# Altium PCB Flight_Computer_Unit.PcbDoc (part 1 of 3)
Units mm, origin at the board's own origin, x right, y up, seen from the top; angles counter-clockwise.
Board outline 31 x 31 mm, 6 copper layers (Top Layer, GND 2, L3, L4, GND 5, Bottom Layer), stack 1.578 mm thick; 101 components, 159 nets, 565 pads, 257 vias.
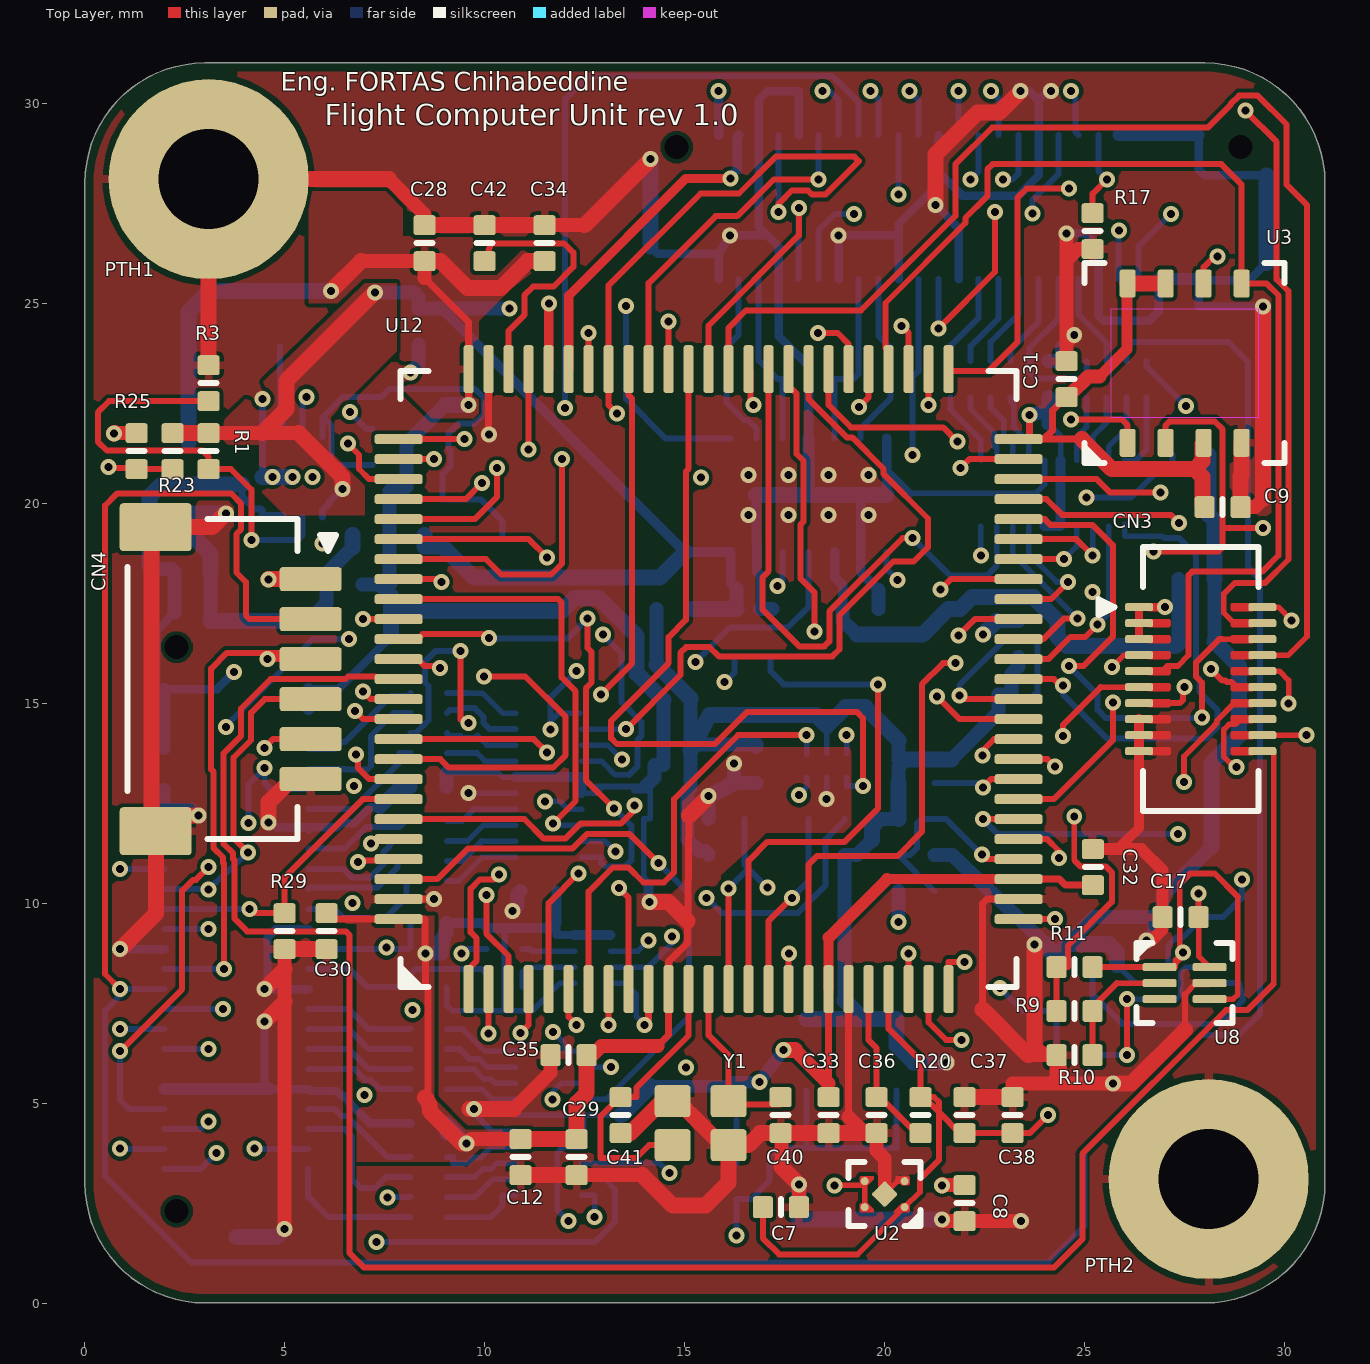
[diagram p0: Top Layer view]
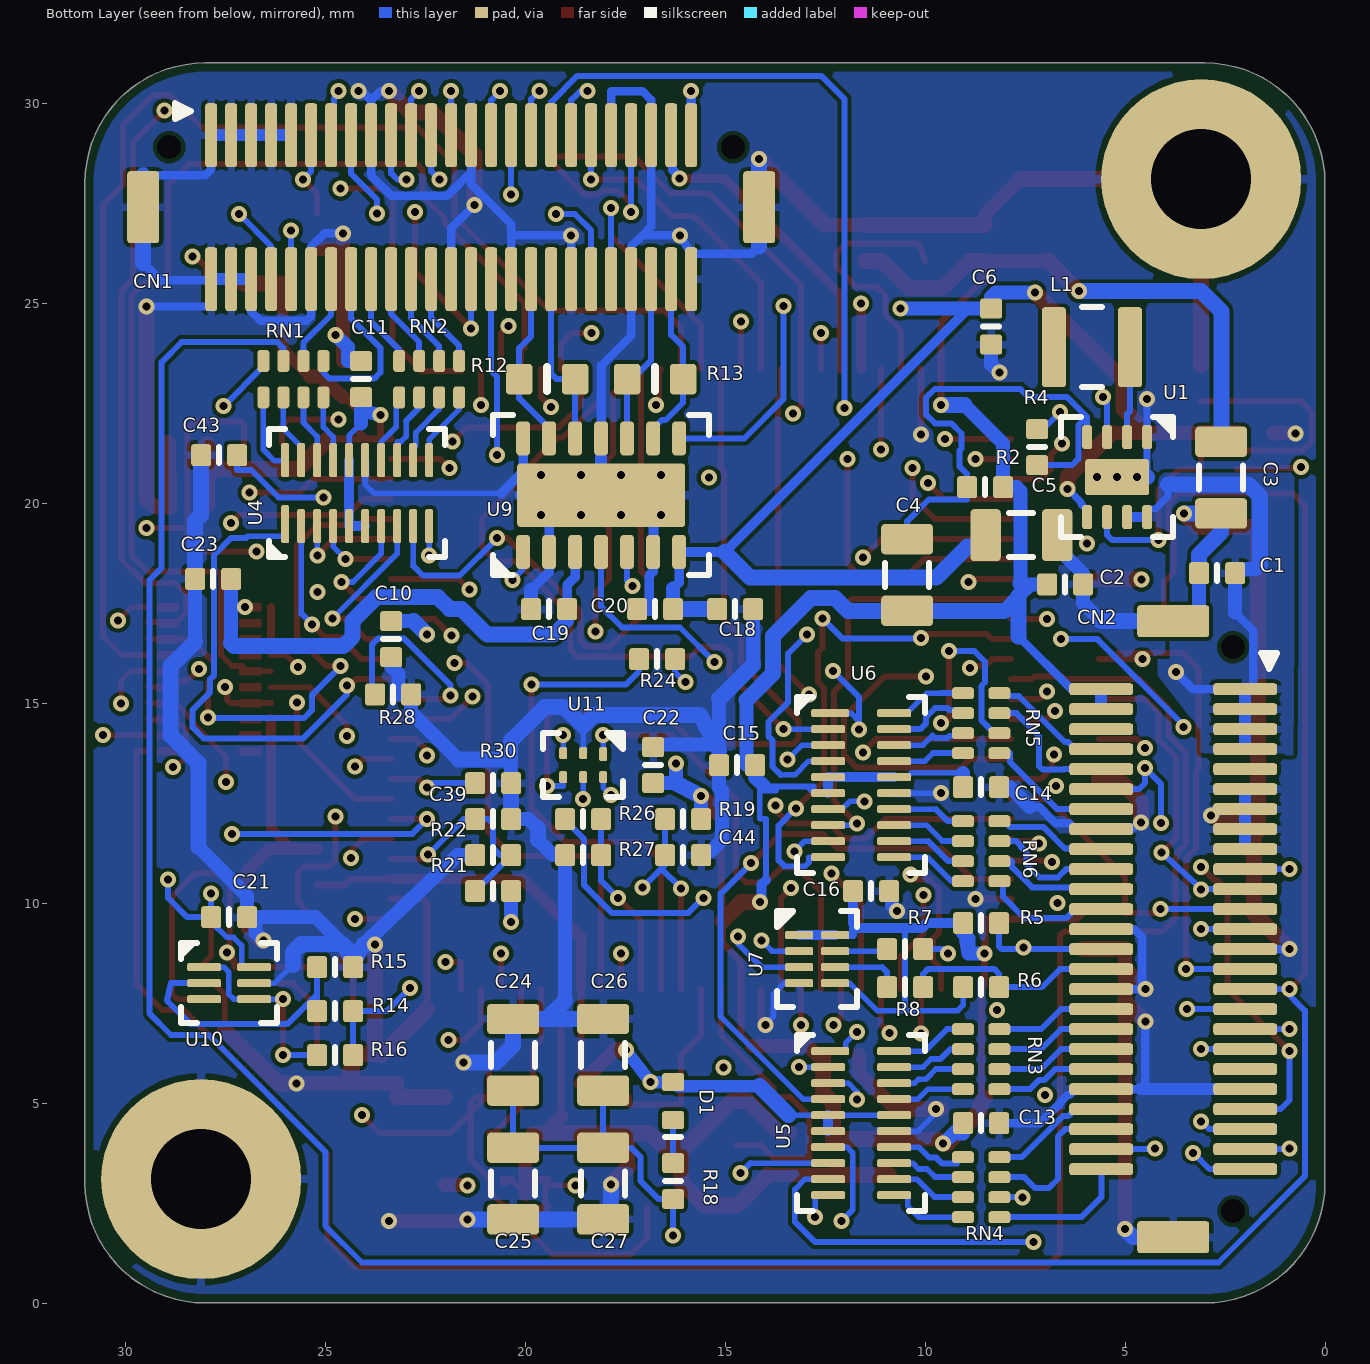
[diagram p1: Bottom Layer view, seen from below]
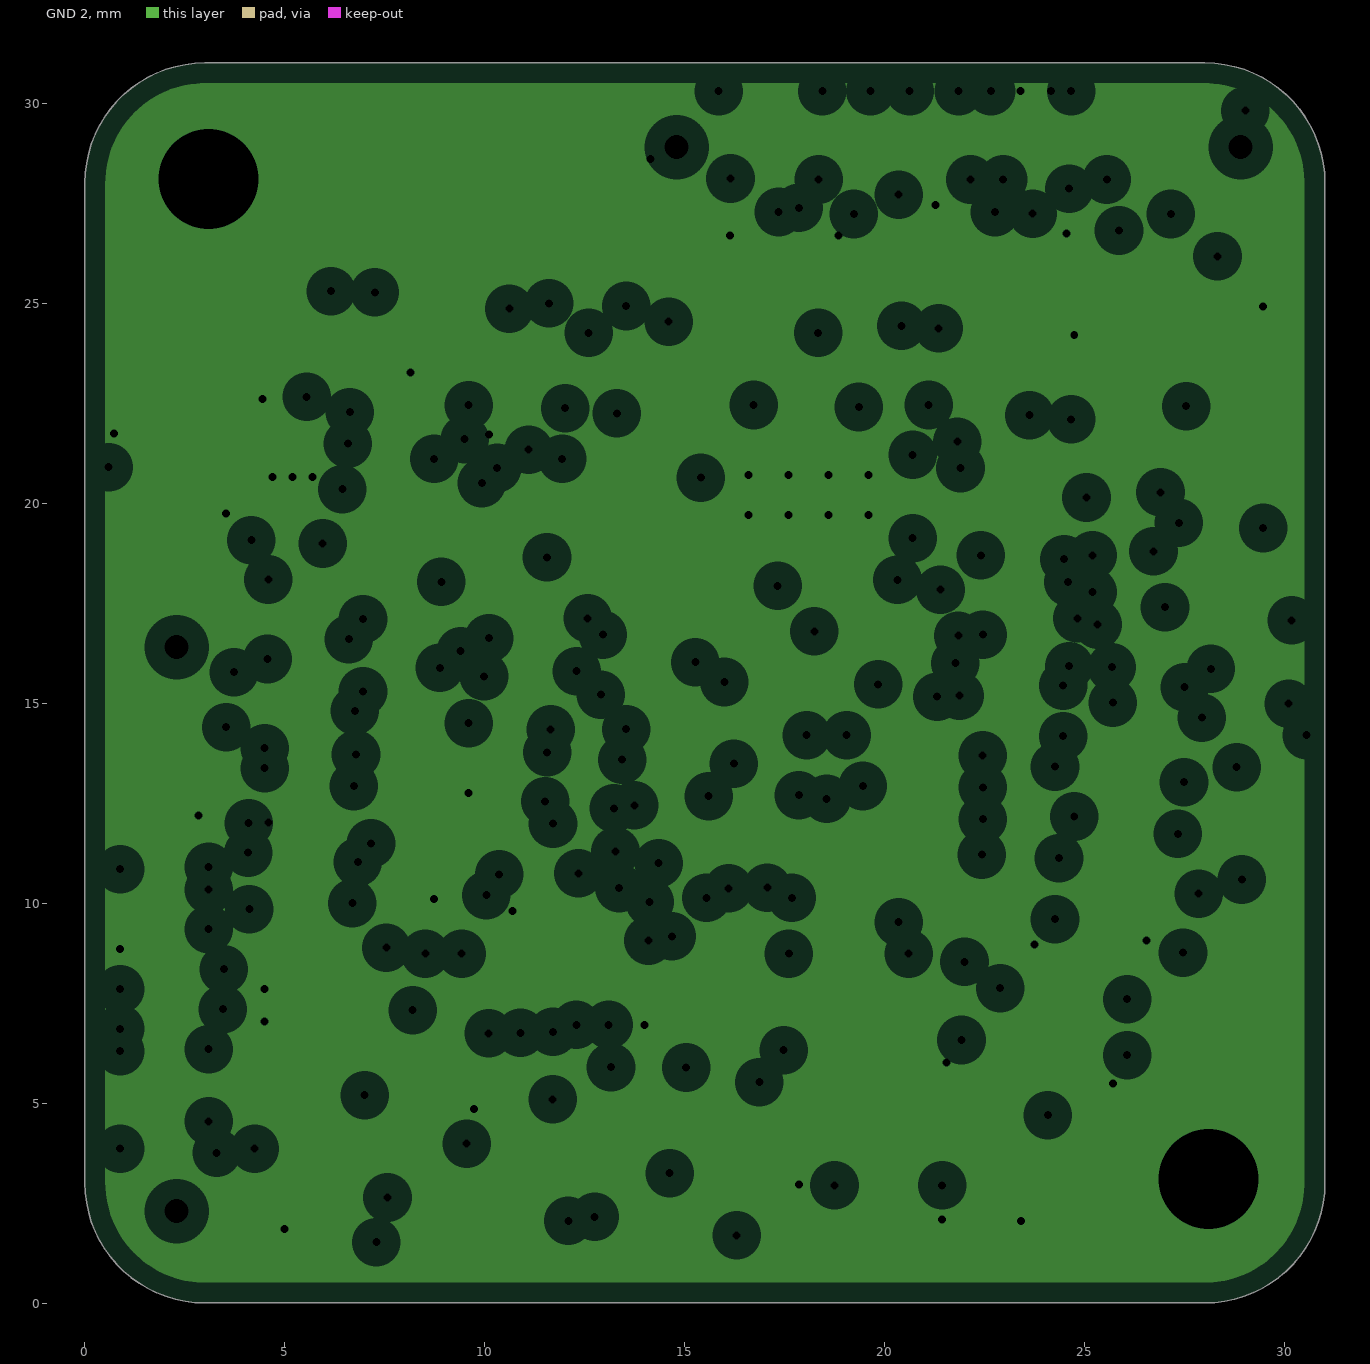
[diagram p2: GND 2, clearances drawn from the general rule]
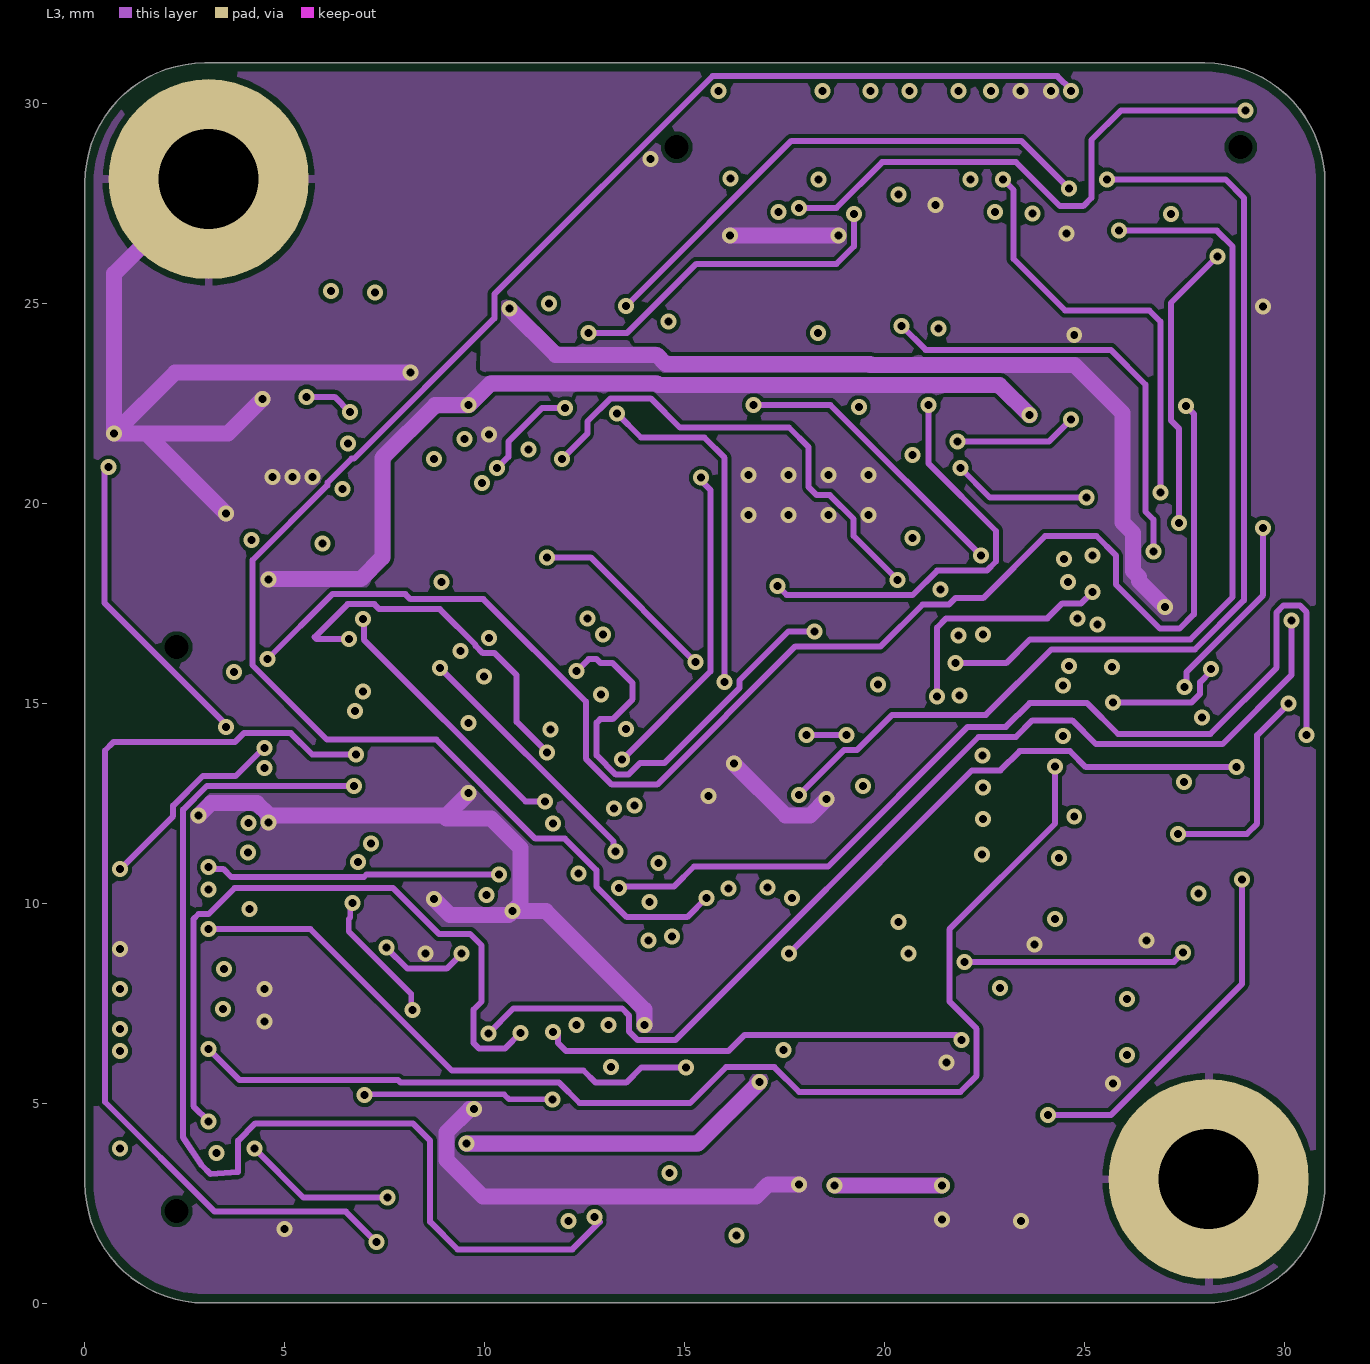
[diagram p3: L3]
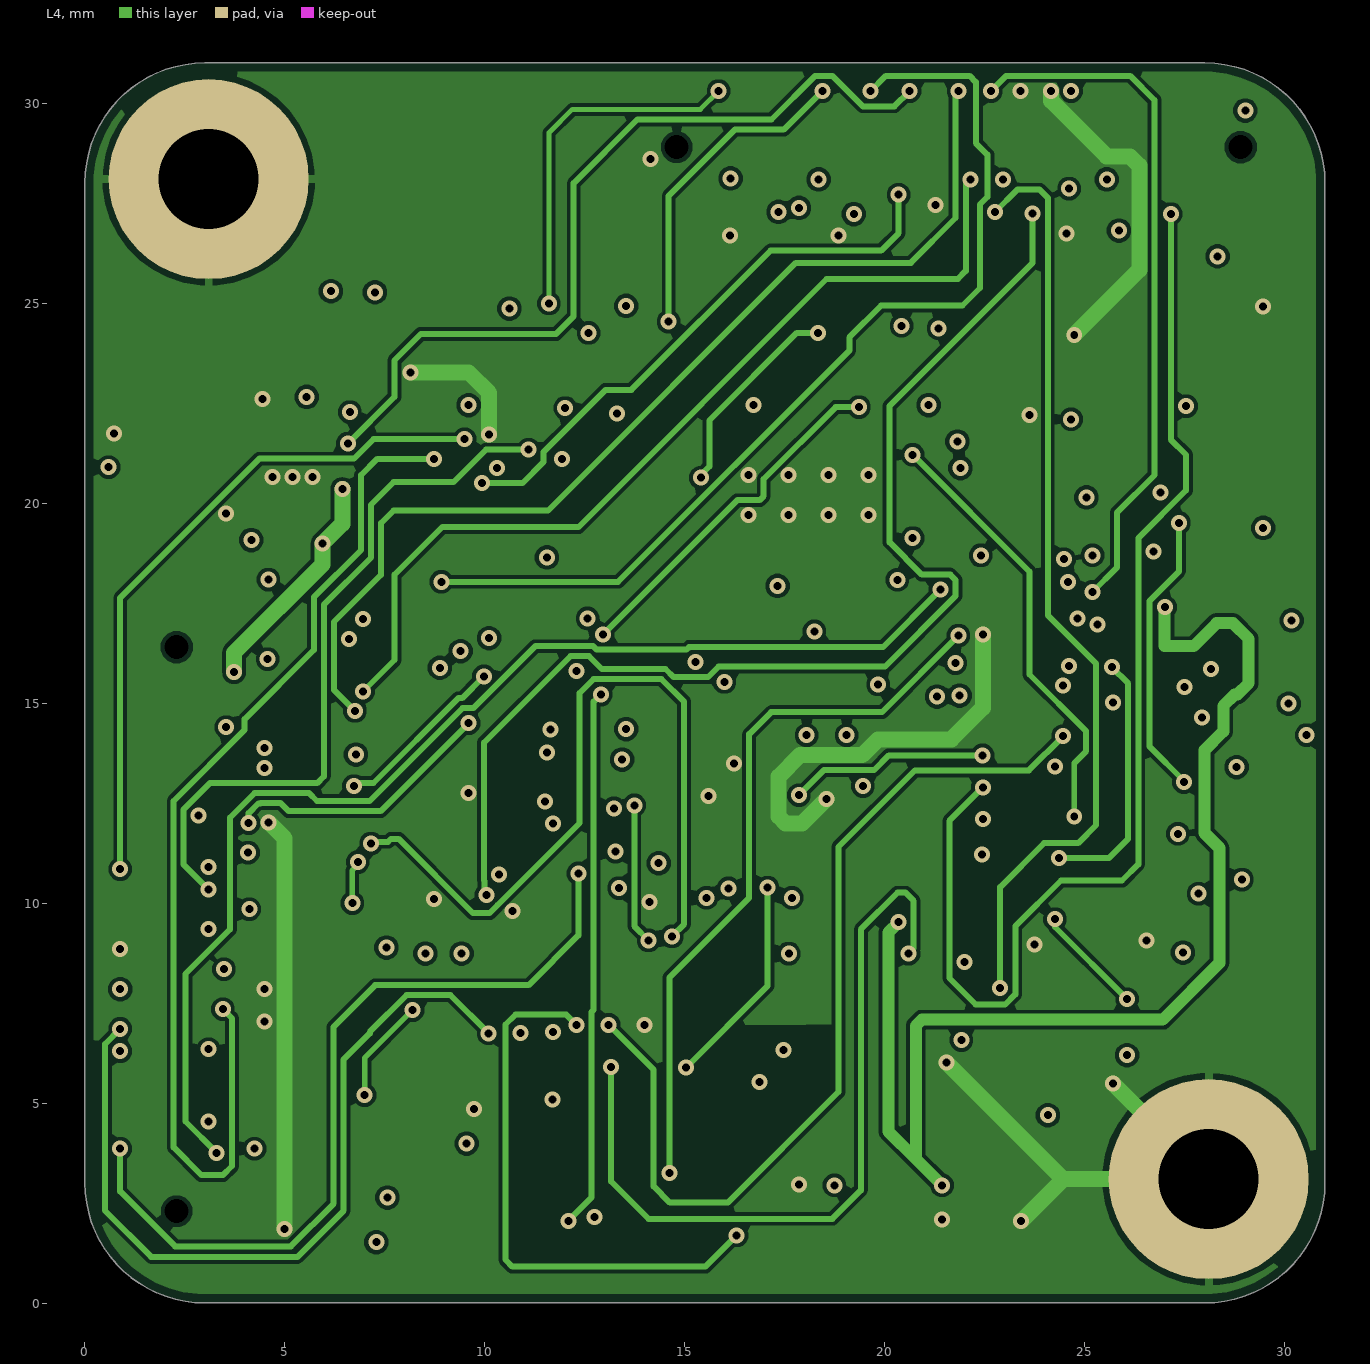
[diagram p4: L4]
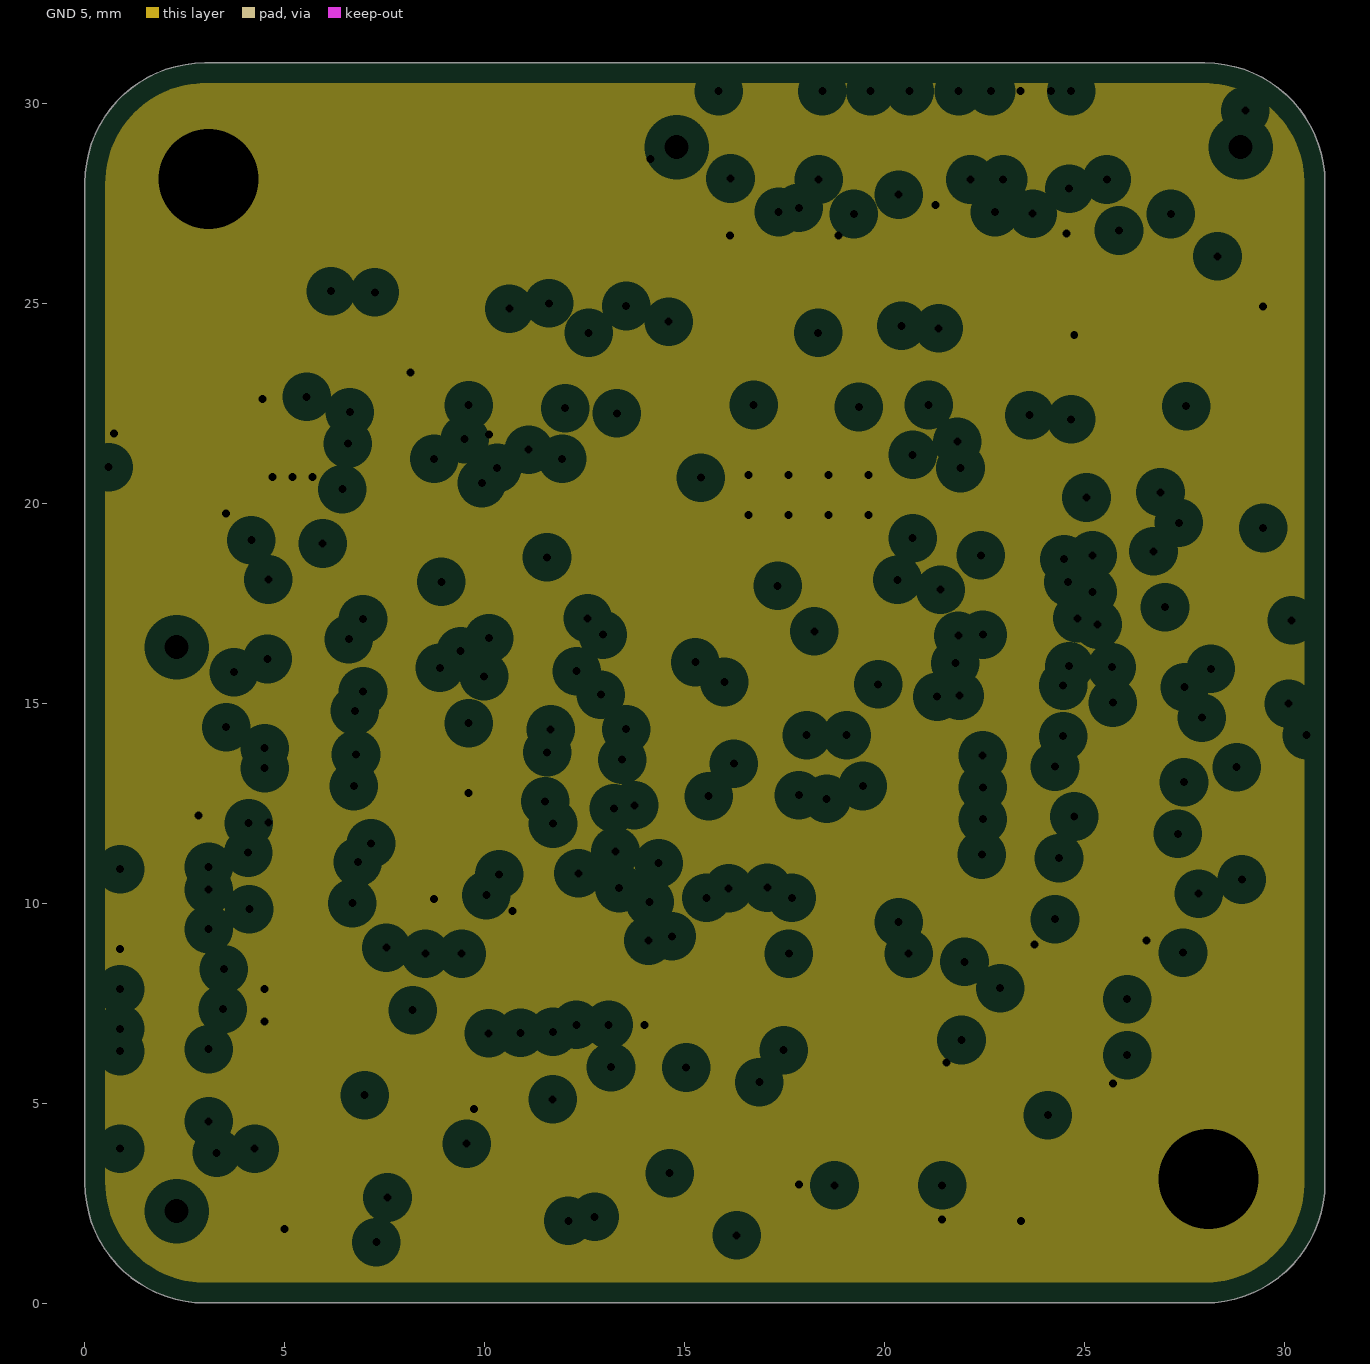
[diagram p5: GND 5, clearances drawn from the general rule]
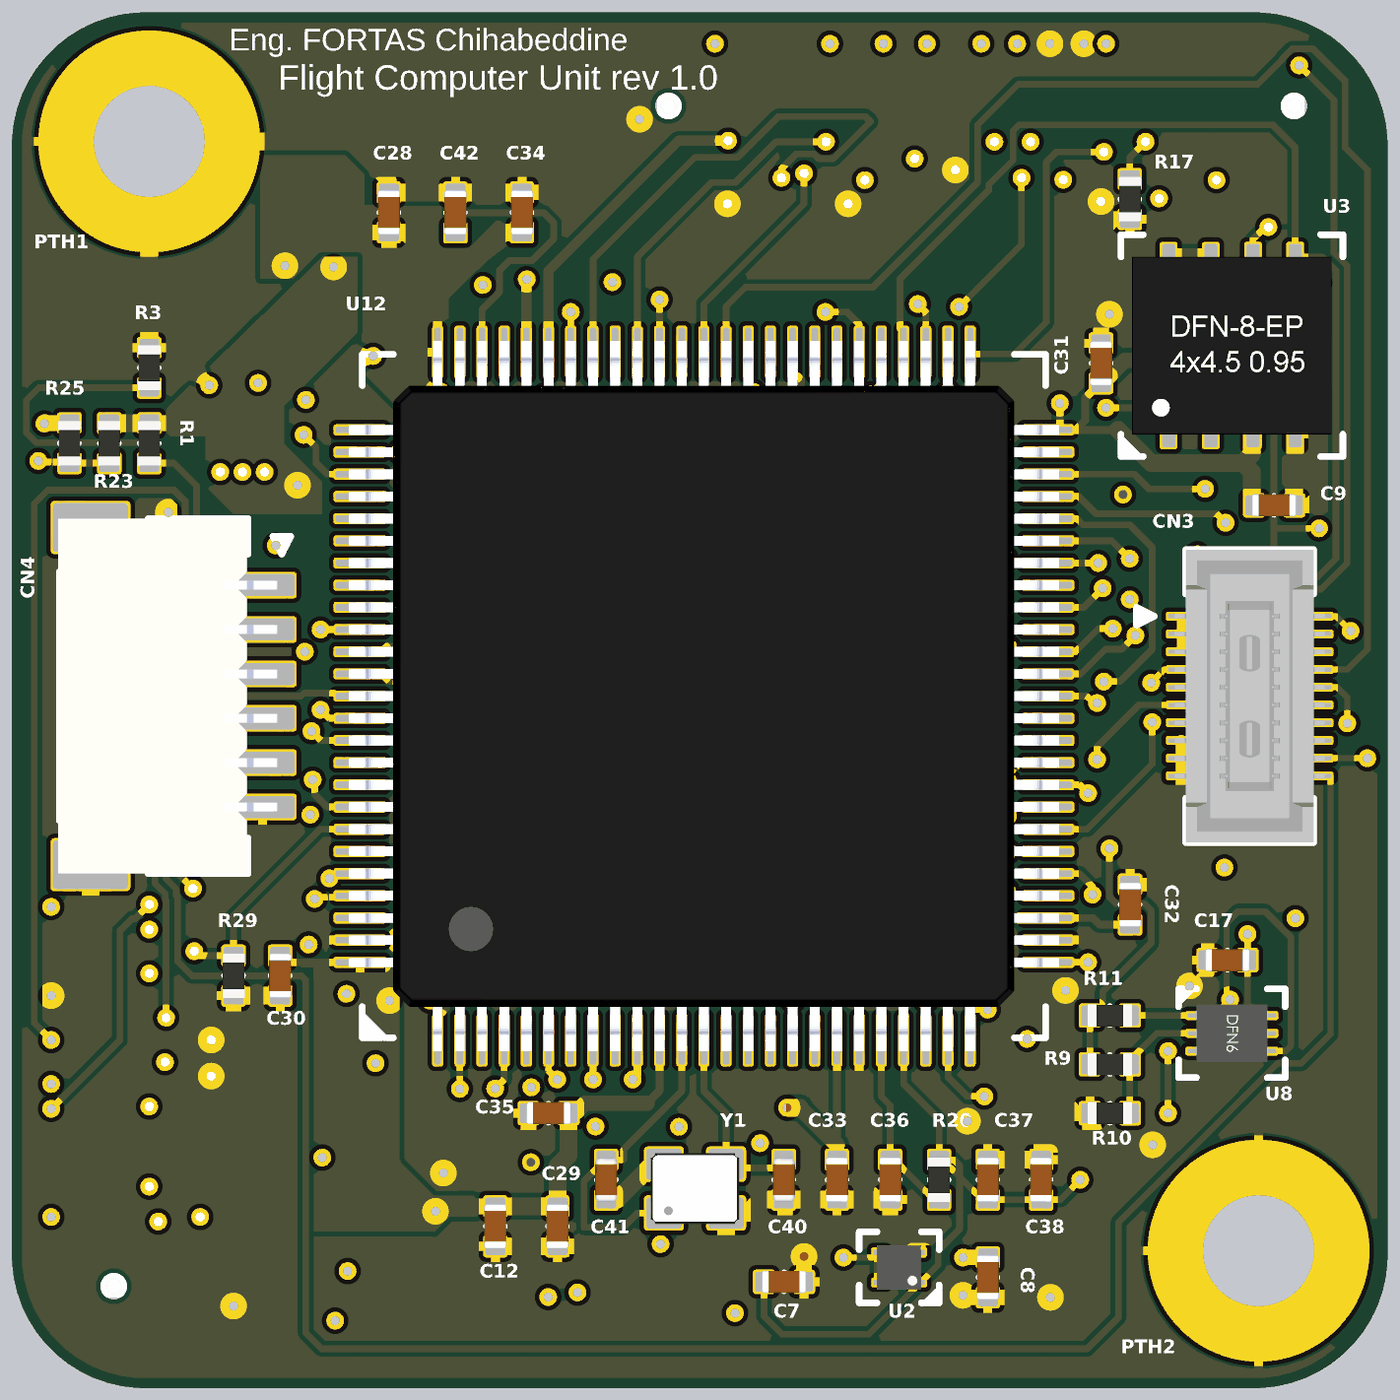
[diagram p8: 3D render of the assembled board from above, using the file's embedded part models]
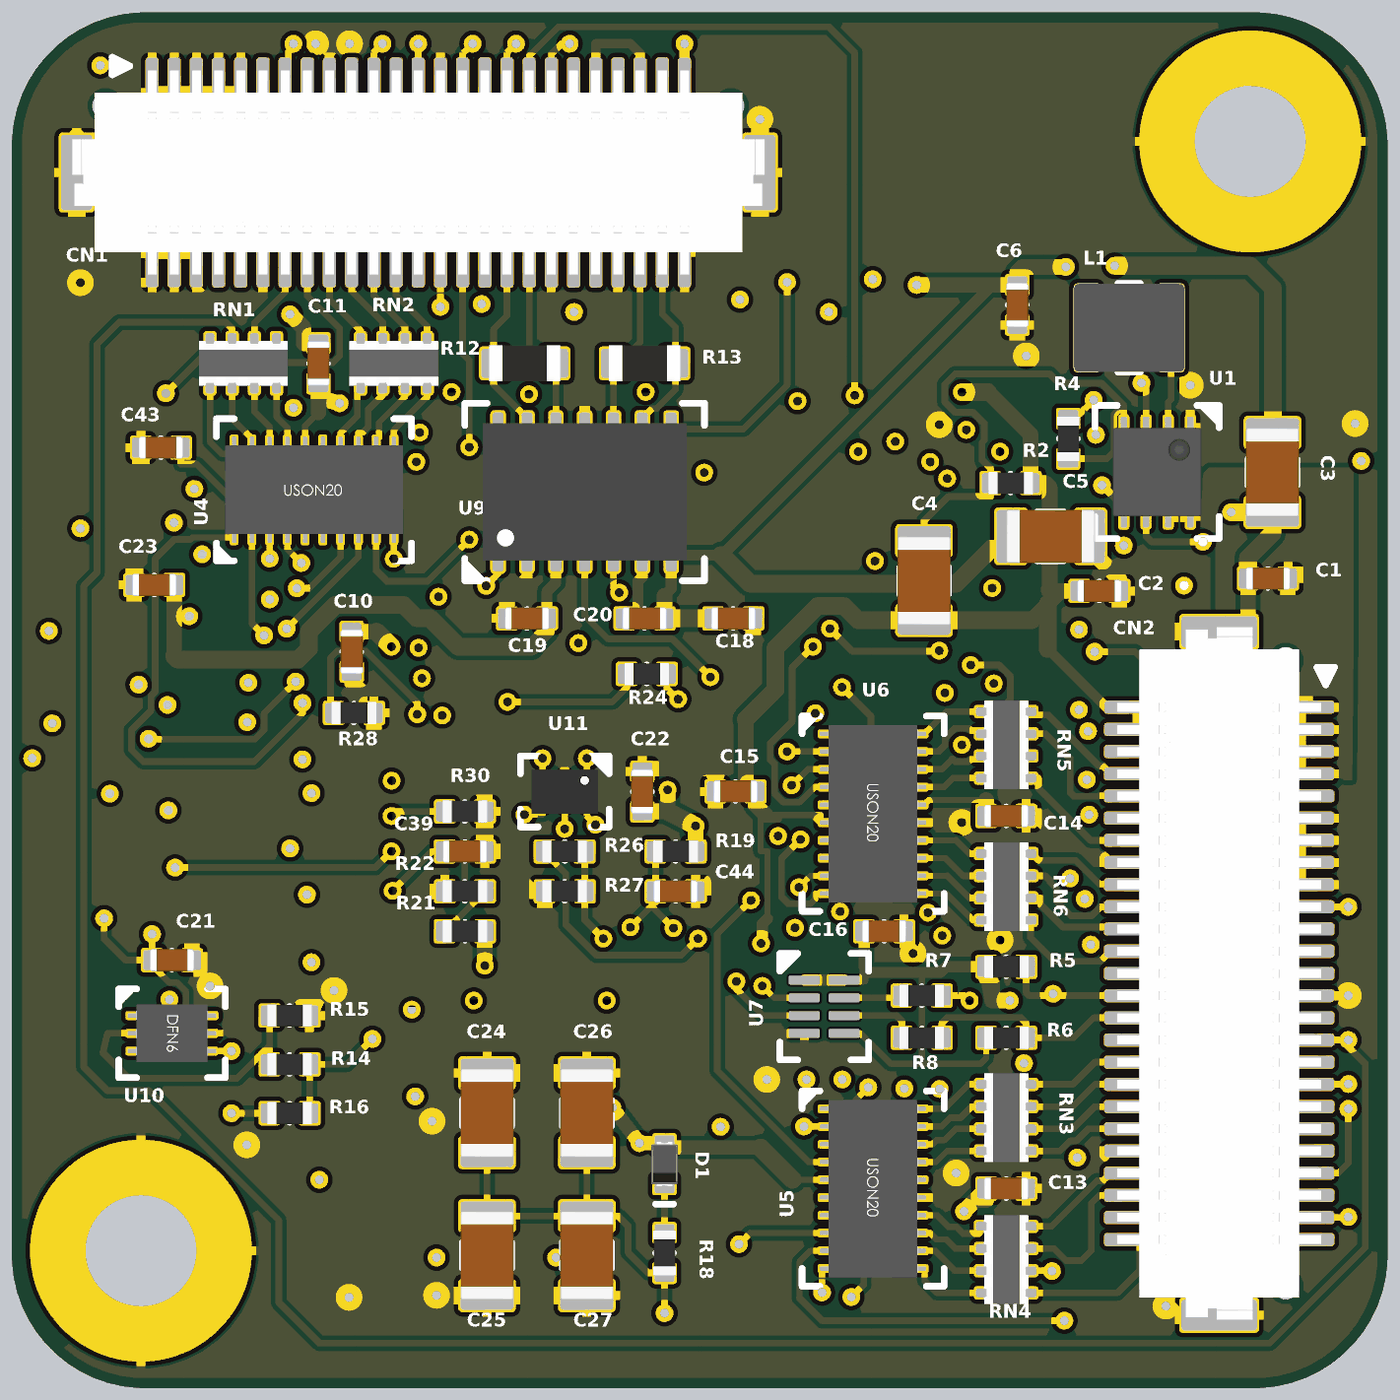
[diagram p9: 3D render of the assembled board from below, using the file's embedded part models]

## Layer stack, top to bottom
Top Solder: solder mask 0.01, Solder Resist, Dk 3.5
Top Layer: signal copper 0.018
Dielectric 2: prepreg 0.15, PP-006, Dk 4.1
GND 2: plane copper 0.018, net GND
Dielectric 4: core 0.51, PP-006, Dk 4.1
L3: signal copper 0.018
Dielectric 1: dielectric 0.15, FR-4, Dk 4.8
L4: signal copper 0.018
Dielectric 5: core 0.51, PP-006, Dk 4.1
GND 5: plane copper 0.018, net GND
Dielectric 3: prepreg 0.15, PP-006, Dk 4.1
Bottom Layer: signal copper 0.018
Bottom Solder: solder mask 0.01, Solder Resist, Dk 3.5

## Board outline
3.006,0.006 cw(c3.006,3.006) 0.006,3.006 0.006,28.006 cw(c3.006,28.006) 3.006,31.006 28.006,31.006 cw(c28.006,28.006) 31.006,28.006 31.006,3.006 cw(c28.006,3.006) 28.006,0.006
